# Altium PCB Wedka_PCB.PcbDoc
Units mm, origin at the board's own origin, x right, y up, seen from the top; angles counter-clockwise.
Board outline 60 x 80 mm, 2 copper layers (Top Layer, Bottom Layer), stack 1.58 mm thick; 47 components, 40 nets, 266 pads, 83 vias.
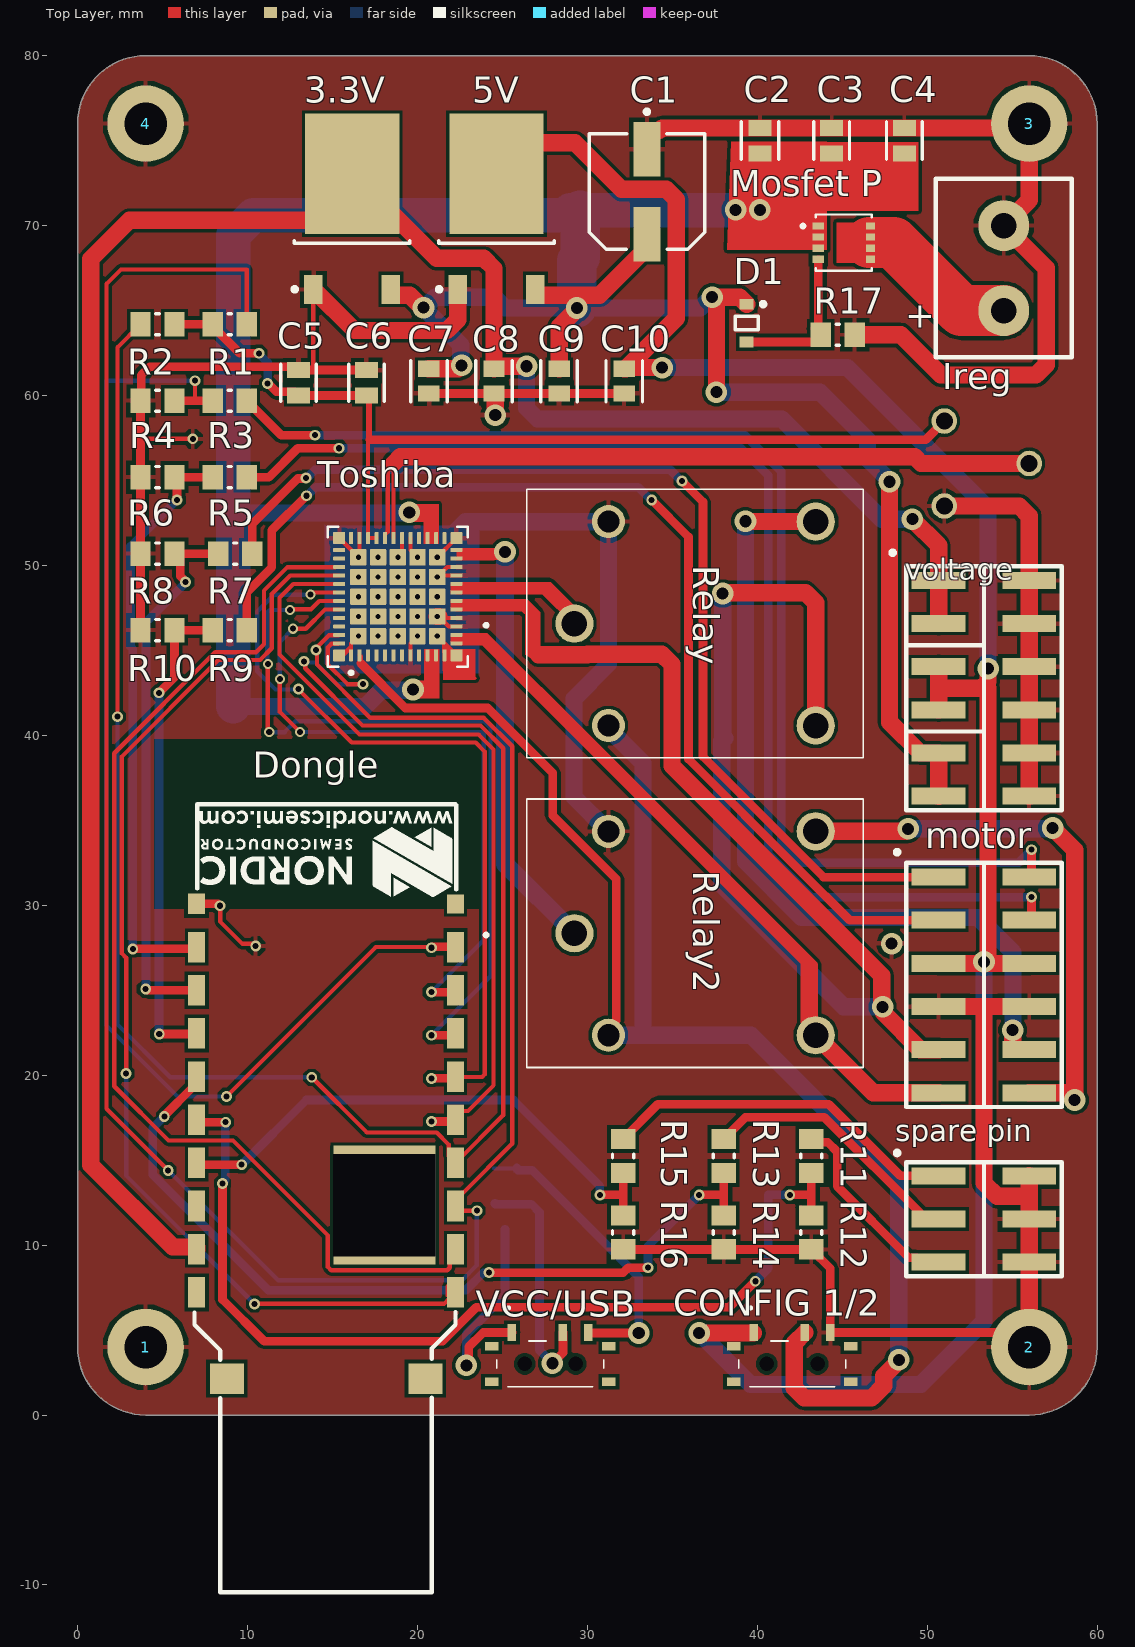
[diagram p0: Top Layer view]
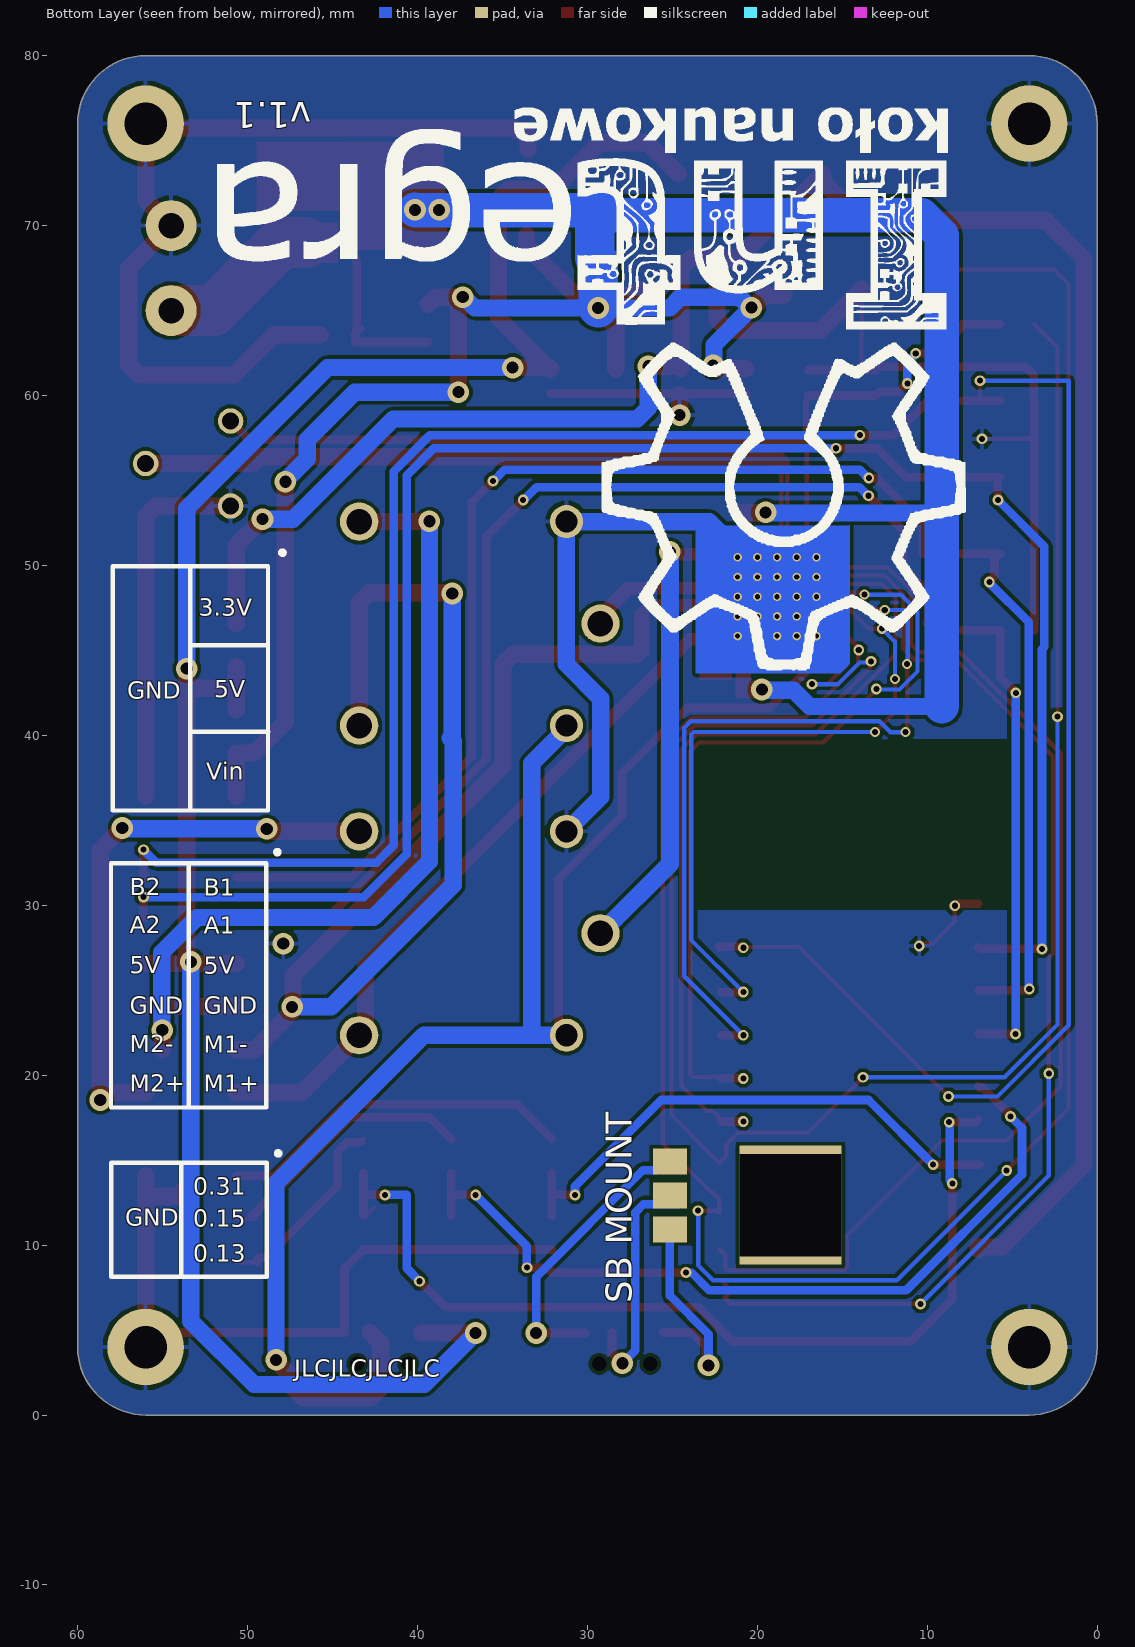
[diagram p1: Bottom Layer view, seen from below]

## Layer stack, top to bottom
Top Solder: solder mask 0.0102, Solder Resist, Dk 3.5
Top Layer: signal copper 0.0356
Dielectric 1: dielectric 1.5086, FR-4, Dk 4.8
Bottom Layer: signal copper 0.0356
Bottom Solder: solder mask 0.0102, Solder Resist, Dk 3.5

## Board outline
4,0 cw(c4,4) 0,4 0,76 cw(c4,76) 4,80 56,80 cw(c56,76) 60,76 60,4 cw(c56,4) 56,0

## Design rules (kind name [scope] priority, off if disabled: settings)
Clearance [All] p1: gap=0.2 ignorepadtopadclearanceinfootprint=FALSE
PolygonConnect [All] p1: connectstyle=Relief reliefconductorwidth=0.254 reliefentries=4 polygonreliefangle="90 Angle" airgapwidth=0.254
RoutingVias [All] p1: holewidth=0.711 width=1.27 viastyle="Through Hole" minholewidth=0.711 minwidth=1.27 maxholewidth=0.711 maxwidth=1.27
SolderMaskExpansion [All] p1: expansion=0.102 istentingtop=FALSE
Width Width_11 [All] p1: maxlimit=1.016 minlimit=0.254 preferedwidth=0.508 minimp=50.000000 maximp=50.000000 favimp=50.000000
Width Width_10 [InNet('+12')] p2: maxlimit=5 minlimit=0.254 preferedwidth=2
Width Width_9 [InNet('VM')] p3: maxlimit=2 minlimit=0.254 preferedwidth=1
Width Width_8 [InNet('NetPinout_6')] p4: maxlimit=3 minlimit=0.254 preferedwidth=1.5
Width Width_7 [InNet('NetPinout_5')] p5: maxlimit=3 minlimit=0.254 preferedwidth=1.5
Width Width_5 [InNet('OUT B-')] p6: maxlimit=3 minlimit=0.254 preferedwidth=2
Width Width_4 [InNet('OUT B+')] p7: maxlimit=3 minlimit=0.254 preferedwidth=2
Width Width_2 [InNet('OUT A-')] p8: maxlimit=3 minlimit=0.254 preferedwidth=2
Width Width_3 [InNet('OUT A+')] p9: maxlimit=3 minlimit=0.254 preferedwidth=2
Width Width_1 [InNet('OUT-')] p10: maxlimit=3 minlimit=0.254 preferedwidth=2
Width [InNet('OUT+')] p11: maxlimit=3 minlimit=0.254 preferedwidth=2
Width Width_6 [InNet('GND')] p12: maxlimit=4 minlimit=0.254 preferedwidth=0.508
30 further rules are at their usual default settings.

## Classes and differential pairs
component class Wedka_schemat: 1 2 3 3.3V 4 5V C1 C2 C3 C4 C5 C6 C7 C8 C9 C10 "CONFIG 1/2" D1 Dongle Ireg "Mosfet P" motor R1 R2 R3 R4 R5 R6 R7 R8 R9 R10 R11 R12 R13 R14 R15 R16 R17 "SB MOUNT" "spare pin" Toshiba VCC/USB

## Components (designator, comment, footprint, x,y, rotation, side; value= is the part's Value field where it differs from the comment)
1 "" PTH#1 3,3.5 r0 top
2 "" PTH#2 61,6.5 r90 top
3 "" PTH#3 40.5,75 r0 top
3.3V "AMS1117 DPAK TO-252" AMS1117CD 16.15,71 r90 top
4 "4" PTH#4 20,57 r0 top
5V "AMS1117 DPAK TO-252" AMS1117CD 24.65,71 r90 top
C1 "47uF" FP-FTD-MFG 33.5,72 r270 top
C2 "4.7uF" FP-C0805C475K3PACTU-MFG 40.15,75 r90 top
C3 "0.1uF" FP-C0805C104M5UACTU-MFG 44.375,75 r90 top
C4 "0.1uF" FP-C0805C104M5UACTU-MFG 48.65,75 r90 top
C5 "0.1uF" FP-C0805C104M5UACTU-MFG 13,60.75 r90 top
C6 "0.1uF" FP-C0805C104M5UACTU-MFG 17,60.75 r90 top
C7 "10uF" FP-GRM21B-0_1-IPC_C 20.667,60.844 r270 top
C8 "10uF" FP-GRM21B-0_1-IPC_C 24.5,60.844 r270 top
C9 "10uF" FP-GRM21B-0_1-IPC_C 28.333,60.844 r270 top
C10 "10uF" FP-GRM21B-0_1-IPC_C 32.167,60.844 r270 top
"CONFIG 1/2" "dongle_mount" dongle_mount 42.241,3 r0 top
D1 "MM3Z16VT1G" ONSC-SOD-323-2-477-02_V 39.37,64.262 r270 top
Dongle "nrf52840-DONGLE" NRF52840 -20.559,58.401 r270 top
Ireg "RM065 potencjometr" Potenciometer 53.035,55.887 r270 top
"Mosfet P" "DMP4013LFGQ-13" DMP4013LFGQ-13 45,69 r0 top
motor "2silniki_pinout" 2_silniki_pinout 48.786,18.144 r0 top
R1 "100k" RESC2013X60X35ML10T20 8.946,64.196 r180 top
R2 "100k" RESC2013X60X35ML10T20 4.7,64.196 r0 top
R3 "10k" RESC2013X60X35ML10T20 8.946,59.696 r0 top
R4 "20k" RESC2013X60X35ML10T20 4.7,59.696 r0 top
R5 "10k" RESC2013X60X35ML10T20 8.946,55.196 r0 top
R6 "20k" RESC2013X60X35ML10T20 4.7,55.196 r0 top
R7 "10k" RESC2013X60X35ML10T20 9.268,50.696 r0 top
R8 "20k" RESC2013X60X35ML10T20 4.7,50.696 r0 top
R9 "10k" RESC2013X60X35ML10T20 8.946,46.196 r0 top
R10 "20k" RESC2013X60X35ML10T20 4.7,46.196 r0 top
R11 "21.5k" RESC2013X60X35ML10T20 43.176,15.246 r90 top
R12 "8.5k" RESC2013X60X35ML10T20 43.176,10.746 r90 top
R13 "21.5k" RESC2013X60X35ML10T20 38.02,15.246 r90 top
R14 "8.5k" RESC2013X60X35ML10T20 38.02,10.746 r90 top
R15 "21.5k" RESC2013X60X35ML10T20 32.102,15.246 r90 top
R16 "8.5k" RESC2013X60X35ML10T20 32.102,10.746 r90 top
R17 "100k" RESC2013X60X35ML10T20 44.725,63.575 r180 top
Relay "G5LA-14-DC24" G5LA14DC24 29.234,46.578 r0 top
Relay2 "G5LA-14-DC24" G5LA14DC24 29.234,28.352 r0 top
"SB MOUNT" "dongle_switch" SWITCH_DONGLE 25.145,14.916 r180 top
"spare pin" "spare_pin_pinout" spare_pinout 53.275,14.876 r0 top
Toshiba "TB67H420FTG(O,EL)" Toshiba 9.21,-12.033 r90 top
VCC/USB "dongle_mount" DONGLE_MOUNT 28,3 r0 top
voltage "Pinout3" pinout3 51.229,36.333 r0 top
? "ARK 500" "AK 500" 54.5,67.5 r0 top

## Footprints (in the part's own frame and the unit in brackets; to place one, negate y for a bottom-side part, rotate by r counter-clockwise, add the part's x,y. Pads: shape width x height; smd on the part's side, far side on the other; paste and mask are expansions set on the pad)
2_silniki_pinout [mm]
  rect 3.17x1 smd: 1(1.884,0.816) 2(1.884,3.356) 3(1.884,5.896) 4(1.884,8.436) 5(1.884,10.976) 6(1.884,13.516) 7(7.214,13.516) 8(7.214,10.976) 9(7.214,8.436) 10(7.214,5.896) 11(7.214,3.356) 12(7.214,0.816)
  silkscreen extent -0.02,-0.02 9.12,14.35, body extent 0.73,-0.51 8.35,14.73, height 10.23
"AK 500" [mm] "2pin raster 5mm"
  round 3 hole 1.5: 1(0,-2.5) 2(0,2.5)
  silkscreen extent -4,-5.25 4,5.25, body extent -3.48,-5.16 3.52,5.24, height 10
AMS1117CD [mm] "D-PAK, 3-Pads, Body 6,21x6,74mm (max), IPC Medium Density"
  rect 1.7x1.1 smd: 1(-4.75,2.28) 3(-4.75,-2.28)
  rect 7.1x5.55 smd: 4(2.05,0)
  silkscreen extent -4.87,-3.4 -1.9,3.5, body extent -4.36,-3.37 5.72,3.37, height 2.85
DMP4013LFGQ-13 [mm] "MOSFET P-Channel"
  rect 0.7x0.42 smd: 1(-1.418,0.97) 2(-1.418,0.32) 3(-1.418,-0.33) 4(-1.418,-0.98)
  rect 0.54x0.42 smd: 5(1.662,-0.98) 6(1.662,-0.33) 7(1.662,0.32) 8(1.662,0.97)
  Top Layer region: 1.932,0.76 1.392,0.76 1.392,0.53 1.932,0.53 1.932,0.11 1.392,0.11 1.392,-0.12 1.932,-0.12 1.932,-0.54 1.392,-0.54 1.392,-0.77 1.932,-0.77 1.932,-1.19 -0.318,-1.19 -0.318,1.18 1.932,1.18
  silkscreen extent -2.42,-1.65 1.73,1.65, body extent -1.57,-1.65 1.73,1.65, height 0.9
dongle_mount [mm]
  rect 0.5x1 smd: A1(-2.441,1.86) B1(0.559,1.86) C1(2.059,1.86)
  round 0.425 hole 0.85 unplated: MH1(-1.691,0.01) MH2(1.309,0.01)
  rect 0.8x0.5 smd: MP1(3.259,1.06) MP2(3.259,-1.04) MP3(-3.641,-1.04) MP4(-3.641,1.06)
  silkscreen extent -3.34,-1.34 2.96,3.36, body extent -10.23,-3.28 9.77,3.47, height 5.8
DONGLE_MOUNT [mm]
  rect 0.5x1 smd: A1(-2.441,1.86) B1(0.559,1.86) C1(2.059,1.86)
  round 0.425 hole 0.85 unplated: MH1(-1.691,0.01) MH2(1.309,0.01)
  rect 0.8x0.5 smd: MP1(3.259,1.06) MP2(3.259,-1.04) MP3(-3.641,-1.04) MP4(-3.641,1.06)
  silkscreen extent -3.34,-1.34 2.96,3.36, body extent -10.23,-3.28 9.77,3.47, height 5.8
FP-C0805C104M5UACTU-MFG [mm]
  rect 0.95x1.35 smd paste+0 mask+0: 1(-0.75,0) 2(0.75,0)
  silkscreen extent -1.1,-1.05 1.1,1.05, body extent -1.4,-0.85 1.4,0.85, height 0.25
FP-C0805C475K3PACTU-MFG [mm]
  rect 0.95x1.35 smd paste+0 mask+0: 1(-0.75,0) 2(0.75,0)
  silkscreen extent -1.1,-1.1 1.1,1.1, body extent -1.4,-0.85 1.4,0.85, height 0.25
FP-FTD-MFG [mm]
  rect 3.2x1.6 smd paste+0 mask+0: 1(-2.5,0) 2(2.5,0)
  silkscreen extent -4.82,-3.4 3.4,3.4, body extent -4.35,-3.65 4.35,3.65, height 0.25
FP-GRM21B-0_1-IPC_C [mm]
  rect 0.958x1.262 smd paste+0 mask+0: 1(-0.727,0) 2(0.727,0)
  silkscreen extent -1.21,-1.07 1.21,1.08, body extent -1.31,-0.77 1.31,0.77, height 0.25
G5LA14DC24 [mm]
  round 2.25 hole 1.5: 1(0,0) 3(14.2,-6) 4(14.2,6)
  round 1.95 hole 1.3: 2(2,-6) 5(2,6)
  silkscreen extent -5.3,-7.9 17,7.9, body extent -2.8,-7.9 17,7.9, height 15.9
NRF52840 [mm]
  rect 1.1x1 smd: 1(28.321,42.799)
  rect 1.8x1 smd: 2(30.861,42.799) 3(33.401,42.799) 4(35.941,42.799) 5(38.481,42.799) 6(41.021,42.799) 7(43.561,42.799) 8(46.101,42.799) 9(48.641,42.799) 10(51.181,42.799) 12(30.861,27.559) 13(33.401,27.559) 14(35.941,27.559) 15(38.481,27.559) 16(41.021,27.559) 17(43.561,27.559) 18(46.101,27.559) 19(48.641,27.559) 20(51.181,27.559)
  rect 1.2x1 smd mask+0.102: 11(28.321,27.559)
  rect 7x6 hole 6 square unplated: 13(46.051,38.61)
  rect 1.8x2 smd: 21(56.261,41.021) 22(56.261,29.337)
  silkscreen extent 22.46,27.43 68.83,42.83, body extent 22.46,27.57 68.5,42.81, height 4.6
ONSC-SOD-323-2-477-02_V [mm] "SOD, 2-Leads, Body 1.7x1.25mm"
  rect 0.63x0.83 smd: 1(-1.115,0) 2(1.115,0)
  silkscreen extent -1.24,-0.68 0.4,1.09, body extent -0.85,-0.63 0.85,0.63, height 1.06
pinout3 [mm]
  rect 3.17x1 smd: 1(-0.559,12.787) 2(-0.559,10.247) 3(-0.559,7.707) 4(-0.559,5.167) 5(-0.559,2.627) 6(-0.559,0.087) 7(4.771,0.087) 8(4.771,2.627) 9(4.771,5.167) 10(4.771,7.707) 11(4.771,10.247) 12(4.771,12.787)
  silkscreen extent -2.47,-0.75 6.68,13.62, body extent -1.65,-1.22 5.97,14.02, height 10.23
Potenciometer [mm] "10k THT"
  round 1.5 hole 1: 1(-2.613,-2.035) 2(-0.113,2.965) 3(2.387,-2.035)
  body extent -3.5,-3.02 3.3,3.87, height 10.44
PTH#1 [mm] "Otwór montażowy"
  round 4.5 hole 2.5: 1(1,0.5)
PTH#2 [mm] "Otwór montażowy"
  round 4.5 hole 2.5: 1(-2.5,5)
PTH#3 [mm] "Otwór montażowy"
  round 4.5 hole 2.5: 1(15.5,1)
PTH#4 [mm] "Otwór montażowy"
  round 4.5 hole 2.5: 1(-16,19)
RESC2013X60X35ML10T20 [mm] "Chip Resistor, 2-Leads, Body 2.1x1.35mm, IPC Low Density"
  rect 1.2x1.45 smd: 1(-1,0) 2(1,0)
  silkscreen extent -0.1,-0.63 0.1,0.63, body extent -1.05,-0.68 1.05,0.67, height 0.6
spare_pinout [mm]
  rect 3.17x1 smd: 1(-2.605,-5.876) 2(-2.605,-3.336) 3(-2.605,-0.796) 4(2.725,-5.876) 5(2.725,-3.336) 6(2.725,-0.796) ""(2.725,-0.796)
  silkscreen extent -4.51,-6.71 4.64,0
SWITCH_DONGLE [mm]
  rect 2x1.524 smd far side: 1(-0.001,3.994) 2(-0.001,1.994) 3(-0.001,-0.006)
Toshiba [mm]
  rrect25% 0.7x0.22 smd: 1(56.743,-6.88) 2(56.743,-7.38) 3(56.743,-7.88) 4(56.743,-8.38) 5(56.743,-8.88) 6(56.743,-9.38) 7(56.743,-9.88) 8(56.743,-10.38) 9(56.743,-10.88) 10(56.743,-11.38) 11(56.743,-11.88) 12(56.743,-12.38) 25(63.643,-12.38) 26(63.643,-11.88) 27(63.643,-11.38) 28(63.643,-10.88) 29(63.643,-10.38) 30(63.643,-9.88) 31(63.643,-9.38) 32(63.643,-8.88) 33(63.643,-8.38) 34(63.643,-7.88) 35(63.643,-7.38) 36(63.643,-6.88)
  rrect25% 0.22x0.7 smd: 13(57.443,-13.08) 14(57.943,-13.08) 15(58.443,-13.08) 16(58.943,-13.08) 17(59.443,-13.08) 18(59.943,-13.08) 19(60.443,-13.08) 20(60.943,-13.08) 21(61.443,-13.08) 22(61.943,-13.08) 23(62.443,-13.08) 24(62.943,-13.08) 37(62.943,-6.18) 38(62.443,-6.18) 39(61.943,-6.18) 40(61.443,-6.18) 41(60.943,-6.18) 42(60.443,-6.18) 43(59.943,-6.18) 44(59.443,-6.18) 45(58.943,-6.18) 46(58.443,-6.18) 47(57.943,-6.18) 48(57.443,-6.18)
  rrect10% 0.96x0.96 smd: 49(57.873,-7.31) 50(57.873,-8.47) 51(57.873,-9.63) 52(57.873,-10.79) 53(57.873,-11.95) 54(59.033,-11.95) 55(59.033,-10.79) 56(59.033,-9.63) 57(59.033,-8.47) 58(59.033,-7.31) 59(60.193,-7.31) 60(60.193,-8.47) 61(60.193,-9.63) 62(60.193,-10.79) 63(60.193,-11.95) 64(61.353,-11.95) 65(61.353,-10.79) 66(61.353,-9.63) 67(61.353,-8.47) 68(61.353,-7.31) 69(62.513,-7.31) 70(62.513,-8.47) 71(62.513,-9.63) 72(62.513,-10.79) 73(62.513,-11.95)
  round 0.5 hole 0.3: 74(57.873,-7.31) 75(57.873,-8.47) 76(57.873,-9.63) 77(57.873,-10.79) 78(57.873,-11.95) 79(59.033,-11.95) 80(59.033,-10.79) 81(59.033,-9.63) 82(59.033,-8.47) 83(59.033,-7.31) 84(60.193,-7.31) 85(60.193,-8.47) 86(60.193,-9.63) 87(60.193,-10.79) 88(60.193,-11.95) 89(61.353,-11.95) 90(61.353,-10.79) 91(61.353,-9.63) 92(61.353,-8.47) 93(61.353,-7.31) 94(62.513,-7.31) 95(62.513,-8.47) 96(62.513,-9.63) 97(62.513,-10.79) 98(62.513,-11.95)
  rrect10% 0.7x0.7 smd: G1(56.743,-6.18) G2(56.743,-13.08) G3(63.643,-13.08) G4(63.643,-6.18)
  silkscreen extent 55.62,-13.75 64.31,-5.51, body extent 56.64,-13.18 63.74,-6.08, height 1.01

## Part data
1 2 3 4: library part PTH
3.3V 5V: library part "AMS1117 DPAK"
C1: library part CMP-05427-000060-1, "CAP ALUM 47UF 20% 50V SMD", Case/Package=Radial, Dielectric Material=Aluminium, ESR (Equivalent Series Resistance)=680mR, Leakage Current=23.5uA, Max Operating Temperature=105°C, Min Operating Temperature=-55°C, Package Quantity=1, Ripple Current=195mA, Tolerance=20%, Voltage=50V, Capacitance=47uF, Construction=Cylindrical, Contact Plating=Tin, Diameter=6.3mm, Height=5.8mm, Height - Seated (Max)=0.24inch, Lead Diameter=0.65mm, Lead Free="Lead Free", Lead Pitch=1.8mm, Length=5.8mm, Life (Hours)=2000Hour, Mount="Surface Mount", Number of Pins=2, Packaging="Tape and Reel", Radiation Hardening=No, REACH SVHC="No SVHC", Ripple Current (AC)=195mA, RoHS Compliant=Yes, Series=FT, Termination=SMD/SMT, Voltage Rating=50V, Voltage Rating (DC)=50V
C2: library part CMP-2007-01010-2, "CAP CER 4.7UF 25V X5R 0805", Case Code (Imperial)=0805, Case Code (Metric)=2012, Dielectric=X5R, Dielectric Material=Ceramic, Max Operating Temperature=85°C, Min Operating Temperature=-55°C, Package Quantity=2500, Tolerance=10%, Voltage=25V, Capacitance=4.7uF, Case/Package=0805, Construction=Flat, Contact Plating=Tin, Depth=1.25mm, Dissipation Factor=5%, Height=1.25mm, Lead Free="Lead Free", Length=2mm, Mount=PCB, Number of Pins=2, Packaging="Tape and Reel", Radiation Hardening=No, REACH SVHC="No SVHC", RoHS Compliant=Yes, Series=C0805C, Termination=SMD/SMT, Voltage Rating (DC)=25V, Width=1.2mm
C3 C4 C5 C6: library part CMP-2007-03742-2, "CAP CER 0.1UF 50V Z5U 0805", Capacitance=100nF, Case Code (Imperial)=0805, Case Code (Metric)=2012, Dielectric=Z5U, Dielectric Material=Ceramic, Max Operating Temperature=85°C, Min Operating Temperature=10°C, Package Quantity=1, Tolerance=20%, Voltage=50V, Case/Package=0805, Construction=Flat, Contact Plating=Tin, Depth=1.25mm, Dissipation Factor=4%, Height=0.78mm, Lead Free="Lead Free", Lead Pitch=0.75mm, Length=2mm, Mount="Surface Mount", Number of Pins=2, Packaging="Tape and Reel", Radiation Hardening=No, REACH SVHC="No SVHC", RoHS Compliant=Yes, Series=C, Termination=SMD/SMT, Thickness=0.035inch, Voltage Rating=50V, Voltage Rating (DC)=50V, Width=1.2mm
C7 C8 C9 C10: library part CMP-2007-03453-2, "Chip Multilayer Ceramic Capacitors for General Purpose, 0805, 10uF, X5R, 15%, 10%, 16V", Case Code (Imperial)=0805, Case Code (Metric)=2012, Dielectric=X5R, Max Operating Temperature=85°C, Min Operating Temperature=-55°C, Package Quantity=1, Tolerance=10%, Voltage=16V, Capacitance=10uF, Case/Package=0805, Depth=1.25mm, Height=1.25mm, Lead Free="Lead Free", Length=2mm, Material=Ceramic, Mount="Surface Mount", Packaging="Tape and Reel", Radiation Hardening=No, REACH SVHC="No SVHC", Termination=SMD/SMT, Thickness=0.053inch, Voltage Rating=16V, Voltage Rating (DC)=16V, Width=1.25mm
D1: library part CMP-1060-00709-1, "Zener Voltage Regulator, 300 mW, 2-Pin SOD-323, Pb-Free, Tape and Reel", Manufacturer="On Semiconductor", ComponentLink1Description="Manufacturer URL", ComponentLink1URL=http://www.onsemi.com/, ComponentLink2Description=Datasheet, ComponentLink2URL=http://www.onsemi.cn/pub_link/Collateral/MM3Z2V4T1-D.PDF, ComponentLink3Description="Package Specification", ComponentLink3URL=http://www.onsemi.com/pub_link/Collateral/477-02.PDF.1, DatasheetVersion="Rev. 9", Mounting Technology="Surface Mount", P Max (W)=0.3, PackageDescription="2-Pin SOD, Body 1.7 x 1.25 mm", PackageReference=SOD-323-2-477-02, PackageVersion="Rev. H, 03/2007", Packing="Tape and Reel", PartNumber=MM3Z16VT1G, RoHS=Pb-Free, VZ Typ (V)=16.2
R1 R2 R3 R4 R5 R6 R7 R8 R9 R10 R11 R12 R13 R14 R15 R16 R17: library part CMP-2100-03673-1, "Chip Resistor, 0 Ohm, Jumper, +/- 5%, 0.125 W, -55 to 155 degC, 0805 (2012 Metric), RoHS, Tape and Reel", Case Code (Imperial)=0805, Case Code (Metric)=2012, Manufacturer=Yageo, Max Operating Temperature=155degC, Min Operating Temperature=-55degC, Package Description="2-Pin Surface Mounted Device, Body 2 x 1.25 mm", Power Rating=125mW, Resistance=0mOhm, Temperature Coefficient=200ppm/degreesC, Tolerance=5%, Voltage Rating=150V, Case/Package=0805, Composition=ThickFilm, Contact Plating=Tin, Datasheet URL=http://www.yageo.com/NewPortal/yageodocoutput?fileName=/pdf/R-Chip/PYu-RC_Group_51_RoHS_L_5.pdf, Datasheet Version="Rev. 5, 10/2016", Depth=1.25mm, Height=0.5mm, Lead Free=LeadFree, Length=2mm, Manufacturer URL=http://www.yageo.com/, Military Standard=Not, Number of Pins=2, Package Reference=0805, Packaging=TapeandReel, Radiation Hardening=No, REACH SVHC=Unknown, RoHSCompliant=true, Termination=SMD/SMT, Voltage Rating (DC)=150V, Width=1.25mm
Relay Relay2: "Relay or Contactor", Manufacturer_Name="Omron Electronics", Mouser Part Number=653-G5LA-14-DC24, Datasheet Link=https://componentsearchengine.com/Datasheets/1/G5LA-14-DC24.pdf, Height=15.8mm, Manufacturer_Part_Number=G5LA-14-DC24, Mouser Price/Stock=https://www.mouser.com/Search/Refine.aspx?Keyword=653-G5LA-14-DC24
Toshiba: "Bipolar Motor Driver CMOS PWM 48-QFN _7x7_", Package=None, Availability=Unavailable, MF=Toshiba, MP=TB67H420FTG_O,EL_, Price=None, SnapEDA_Link=https://www.snapeda.com/parts/TB67H420FTG%28O%2CEL%29/avi/view-part/4448976/?ref=snap

## Via types
v1: diameter 0.635, hole 0.356, Top Layer to Bottom Layer, 46 vias
v2: diameter 1.27, hole 0.711, Top Layer to Bottom Layer, 30 vias
v3: diameter 0.6, hole 0.356, Top Layer to Bottom Layer, 7 vias

## Nets (pads, with @x,y where several pads share a name; then routed paths per layer and width w, separated by ;. In a path a pad name is that pad's centre, name@x,y a point inside that pad or via, vN(x,y) a via of type N, cw(c..) or ccw(c..) an arc to the next point about the centre after c; other vN are vias at no path point)
+3.3: 3.3V.4 C8.1 Dongle.19 voltage.1 voltage.2 | length 132.6
  Top Layer w0.508: C8.1 C8.1@24.651,61.722
  Top Layer w1.016: Dongle.19 7,9.886 6.992,9.894 5.6,9.894 0.775,14.719 0.775,68.035 3.048,70.308 13.883,70.308 16.15,72.575 3.3V.4 21.128,68.072 23.905,68.072 24.5,67.477 C8.1 ; C8.1@24.651,61.722 v2(26.416,61.722) ; v2(49.125,52.725) 50.67,51.18 voltage.2
  Bottom Layer w1.016: v2(26.416,61.722) 26.416,59.269 27.065,58.62 41.43,58.62 47.325,52.725 v2(49.125,52.725)
+5: 5V.4 "CONFIG 1/2.A1" C10.1 motor.4 motor.9 voltage.3 voltage.4 | length 130.1
  Top Layer w0.254: 39.766,4.826 39.8,4.86
  Top Layer w1.016: 5V.4 26.469,74.869 29.271,74.869 32.004,72.136 34.638,72.136 35.233,71.541 35.233,64.543 32.261,61.571 C10.1 ; C10.1@32.336,61.647 v2(34.4,61.647) ; v2(36.576,4.826) 39.766,4.826 ; motor.4 v2@53.335,26.58 ; voltage.4 50.67,42.77 ; voltage.3 50.67,42.77 ; 53.58,42.77 53.58,26.979 53.34,26.739 v2(53.34,26.67) 53.34,26.585 v2@53.335,26.58 ; v2(53.58,43.928) 53.58,43.166 53.184,42.77 50.67,42.77 ; motor.9 v2@53.335,26.58
  Bottom Layer w1.016: v2(34.4,61.647) 45.287,61.647 53.58,53.354 v2(53.58,43.928) ; v2(36.576,4.826) 39.602,1.8 49.617,1.8 53.34,5.523 v2(53.34,26.67)
+12: "Mosfet P.5" "Mosfet P.6" "Mosfet P.7" "Mosfet P.8" ?.1 | length 9.9
  Top Layer w0.254: 46.605,69 46.605,68.727 46.662,68.67
  Top Layer w3: 46.605,69 48,69 52,65 ?.1
"A2 OUT": motor.8 R5.2 | length 72.3
  Top Layer w0.254: motor.8 motor.8@56.134,29.254
  Top Layer w0.508: R5.2 11.254,55.196 12.954,56.896 v1(15.376,56.896) ; motor.8@56.134,29.254 v1(56.134,30.48)
  Bottom Layer w0.508: v1(15.376,56.896) 39.04,56.896 40.64,55.296 40.64,33.02 43.18,30.48 v1(56.134,30.48)
"A OUT": motor.5 R9.2 | length 64.6
  Top Layer w0.254: motor.5@50.663,29.12 motor.5
  Top Layer w0.508: R9.2@10.031,46.611 9.975,46.667 9.946,46.667 9.946,48.407 11.425,49.886 11.425,52.065 v1(13.462,54.102) ; v1(33.782,53.848) 35.95,51.68 35.95,38.602 42.487,32.065 45.432,29.12 motor.5@50.663,29.12
  Bottom Layer w0.508: v1(13.462,54.102) 13.496,54.102 14.004,54.61 32.986,54.61 33.748,53.848 v1(33.782,53.848)
"B2 OUT": motor.7 R3.2 | length 72.3
  Top Layer w0.508: R3.2 11.984,57.658 13.961,57.658 v1(13.97,57.667) ; motor.7 56.134,31.794 v1(56.134,33.274)
  Bottom Layer w0.508: v1(13.97,57.667) 13.979,57.658 39.28,57.658 41.402,55.536 41.402,33.528 42.418,32.512 55.372,32.512 v1(56.134,33.274)
"B OUT": motor.6 R7.2 | length 62.2
  Top Layer w0.508: R7.2 10.268,52.432 12.95,55.114 13.417,55.114 v1(13.442,55.138) ; v1(35.56,54.975) 36.8,53.735 36.8,38.753 43.893,31.66 motor.6
  Bottom Layer w0.508: v1(13.442,55.138) 13.476,55.138 13.964,55.626 34.874,55.626 35.526,54.975 v1(35.56,54.975)
"COIL IN": "CONFIG 1/2.B1" Relay2.2 Relay.2 Toshiba.2 | length 93.4
  Top Layer w0.254: Toshiba.2@16.591,44.71 16.653,44.648 16.653,44.241
  Top Layer w0.508: 16.653,44.241 19.284,41.61 24.14,41.61 27.964,37.786 27.964,35.286 31.7,31.55 31.7,23.208 31.234,22.742 Relay2.2
  Top Layer w1.016: 42.8,4.86 42.164,4.224 42.164,1.597 42.759,1.002 46.722,1.002 47.441,1.721 47.441,2.297 48.325,3.181 v2(48.325,3.25)
  Bottom Layer w1.016: Relay.2@30.837,40.791 33.274,38.354 33.274,22.352 ; Relay2.2 33.274,22.352 ; v2(48.325,3.25) 48.325,13.651 39.624,22.352 33.274,22.352
GND: 1.1 2.1 3.1 3.3V.1 4.1 5V.1 "CONFIG 1/2.C1" "spare pin.4" "spare pin.5" "spare pin.6" ?.2 C1.1 C2.2 C3.2 C4.2 C5.2 C6.2 C7.2 C8.2 C9.2 C10.2 Dongle.11 Ireg.3 motor.3 motor.10 R4.1 R6.1 R8.1 R10.1 R12.1 R14.1 R16.1 R17.1 Relay2.5 Relay.5 Toshiba.1 Toshiba.8 Toshiba.15 Toshiba.16 Toshiba.21 Toshiba.22 Toshiba.29 Toshiba.30 Toshiba.35 Toshiba.49 Toshiba.50 Toshiba.51 Toshiba.52 Toshiba.53 Toshiba.54 Toshiba.55 Toshiba.56 Toshiba.57 Toshiba.58 Toshiba.59 Toshiba.60 Toshiba.61 Toshiba.62 Toshiba.63 Toshiba.64 Toshiba.65 Toshiba.66 Toshiba.67 Toshiba.68 Toshiba.69 Toshiba.70 Toshiba.71 Toshiba.72 Toshiba.73 Toshiba.74 Toshiba.75 Toshiba.76 Toshiba.77 Toshiba.78 Toshiba.79 Toshiba.80 Toshiba.81 Toshiba.82 Toshiba.83 Toshiba.84 Toshiba.85 Toshiba.86 Toshiba.87 Toshiba.88 Toshiba.89 Toshiba.90 Toshiba.91 Toshiba.92 Toshiba.93 Toshiba.94 Toshiba.95 Toshiba.96 Toshiba.97 Toshiba.98 Toshiba.G1 Toshiba.G2 Toshiba.G3 Toshiba.G4 voltage.7 voltage.8 voltage.9 voltage.10 voltage.11 voltage.12 | length 245.4
  Top Layer w0.254: 3.7,57.446 3.704,57.45 v1(6.775,57.45) ; v1@8.274,30.08 v1(8.382,29.972) 8.382,29.043 9.698,27.727 v1@10.348,27.727 ; 3.3V.1 13.87,61.6 13.97,61.5 ; Toshiba.G1 15.596,44.71 16.067,45.181 ; Toshiba.G4 Toshiba.69 ; Toshiba.1 16.09,45.41 Toshiba.49 ; Toshiba.69@16.59,50.48 Toshiba.35 ; Toshiba.71 19.09,50.73 Toshiba.30 ; Toshiba.8 19.59,45.43 Toshiba.52 ; Toshiba.29 19.59,50.89 Toshiba.72 ; Toshiba.53 Toshiba.G2 ; Toshiba.64 Toshiba.64@21.25,49.41 ; Toshiba.73 Toshiba.G3 ; Toshiba.54@21.25,46.91 Toshiba.54@21.34,46.91 ; Toshiba.54@21.25,47 Toshiba.54@21.34,46.91 ; Toshiba.15 21.84,46.41 Toshiba.54@21.34,46.91 ; Toshiba.16 Toshiba.54@21.34,46.91 ; Toshiba.21 Toshiba.64@21.25,49.41 ; Toshiba.22 21.75,49.91 Toshiba.64@21.25,49.41 ; C8.2 C8.2@24.575,60.042 ; 2.1@55.14,4.86 2.1 ; 3.1@55.75,75.75 3.1
  Top Layer w0.508: R10.1 R8.1 R6.1 3.7,57.446 R4.1 3.735,59.731 3.735,61.202 4.233,61.7 12.8,61.7 C5.2 13.97,61.5 C6.2 ; Dongle.11 v1@8.274,30.08 ; C7.2 C8.2 C10.2 ; R16.1 R12.1 44.3,8.622 44.3,4.86 2.1@55.14,4.86
  Top Layer w1.016: 3.3V.1 16.288,63.832 21.739,63.832 22.37,64.463 5V.1 ; Toshiba.54 Toshiba.54@21.25,47 ; v2(24.575,58.85) C8.2@24.575,60.042 ; C1.1 33.5,75.3 33.792,75.592 34.229,75.592 34.387,75.75 C2.2 C3.2 C4.2 3.1@55.75,75.75 ; R17.1 48.439,63.575 50.8,61.214 56.405,61.214 57,61.809 57,67.5 ?.2 56,71.5 3.1 ; motor.3 53.335,24.04 ; Ireg.3 55.405,53.5 56,52.905 voltage.12 voltage.11 voltage.10 voltage.9 voltage.8 voltage.7 ; 2.1 56,9 56,11.54 56,12.81 ; 56,14.08 56,12.81 ; motor.10 53.335,24.04 ; 53.335,24.04 53.335,13.659 54.122,12.872 55.938,12.872 56,12.81
  Bottom Layer w0.254: v1(8.382,29.972) v1@8.453,29.972
  Bottom Layer w1.016: 22.1,49.6 22.1,51.85 22.828,52.578 Relay.5 ; Relay.5@31.242,52.578 31.242,44.196 29.21,42.164 29.21,36.376 Relay2.5 Relay2.5@31.455,34.131
  other v1: 10.475,27.6
  other v2: 47.901,27.748
INA1: Dongle.6 Toshiba.41 | length 46.5
  Top Layer w0.254: Toshiba.41 12.685,48.91 11.875,48.1 11.875,44.763 16.588,40.05 23.594,40.05 24.475,39.169 24.475,19.401 22.972,17.898 22.613,17.898 22.24,17.525 Dongle.6 Dongle.6@22.132,17.272
  Top Layer w0.508: v1(20.826,17.276) 22.128,17.276 Dongle.6@22.132,17.272
INA2: Dongle.5 Toshiba.42 | length 46
  Top Layer w0.254: v1(13.001,42.726) 13.001,42.702 16.128,39.575 23.427,39.575 23.95,39.052 23.95,20.042 23.801,19.894 22.758,19.894 ; v3(13.7,48.283) 13.827,48.41 Toshiba.42@15.167,48.41 ; Dongle.5@22.132,19.812 Dongle.5 Dongle.5@22.599,19.92
  Top Layer w0.508: v1(20.828,19.812) Dongle.5@22.132,19.812
  Bottom Layer w0.254: v1(13.001,42.726) 12.973,42.698 11.64,42.698 10.573,43.765 10.573,47.291 11.565,48.283 v3(13.7,48.283)
INB1/INA12: Dongle.4 Toshiba.43 | length 46
  Top Layer w0.254: v3@11.188,44.162 11.188,40.412 11.209,40.391 11.209,40.258 v3(11.275,40.192) ; v3(12.502,47.375) 12.552,47.425 13.729,47.425 14.214,47.91 Toshiba.43 ; Dongle.4@22.132,22.352 Dongle.4
  Top Layer w0.508: v1(20.828,22.352) Dongle.4@22.132,22.352
  Bottom Layer w0.254: v3@11.188,44.162 11.15,44.2 11.15,47.226 11.299,47.375 v3(12.502,47.375) ; v3(11.275,40.192) 12.18,40.192 12.815,40.827 23.915,40.827 24.3,40.442 24.3,25.824 v1(20.828,22.352)
  other v3: 11.2,44.2
INB2/INA22: Dongle.3 Toshiba.44 | length 38.8
  Top Layer w0.254: v3(11.9,43.325) 11.9,41.375 v3(13.075,40.2) ; v3(12.674,46.276) 13.426,46.276 14.56,47.41 Toshiba.44 ; Dongle.3@22.132,24.892 Dongle.3
  Top Layer w0.508: v1(20.828,24.892) Dongle.3@22.132,24.892
  Bottom Layer w0.254: v3(11.9,43.325) 11.9,45.503 v3(12.674,46.276) ; v3(13.075,40.2) 23.751,40.2 23.9,40.051 23.9,27.964 v1(20.828,24.892)
LO1: Dongle.8 R1.1 Toshiba.47 | length 136.2
  Top Layer w0.254: v1(5.325,14.4) 1.694,18.031 1.694,66.569 2.546,67.421 9.946,67.421 R1.1 ; v1(14.032,45.025) 14.079,44.978 14.079,44.169 17.219,41.029 23.899,41.029 25.574,39.354 25.574,15.973 22.674,13.073 22.613,13.073 22.24,12.7 22.24,12.025 22.24,11.923 22.342,12.025 v1(23.5,12.025) ; v1@14.105,44.985 14.105,45.209 14.789,45.893 15.373,45.893 Toshiba.47
  Bottom Layer w0.254: v1(5.325,14.4) 11.8,7.925 22.6,7.925 23.477,8.802 23.477,12.002 v1(23.5,12.025)
LO2: Dongle.7 R2.1 Toshiba.48 | length 113.4
  Top Layer w0.254: v1(2.338,41.1) 2.338,62.834 R2.1 ; v1(13.319,44.36) 13.388,44.291 13.388,43.949 16.761,40.575 23.711,40.575 25.05,39.236 25.05,17.65 Dongle.7 21.832,15.248 21.832,15.926 21.126,16.631 17.019,16.631 v1(13.775,19.875) ; Toshiba.48 15.373,45.393 14.931,45.393 14.713,45.175 14.713,44.177 15.876,43.014 v1(16.789,43.014)
  Bottom Layer w0.254: v1(2.338,41.1) 2.338,22.987 5.45,19.875 v1(13.775,19.875) ; v1(13.319,44.36) 13.391,44.287 13.988,44.287 15.261,43.014 v1(16.789,43.014)
NetD1_2: "Mosfet P.4" D1.2 R17.2 | length 9.5
  Top Layer w0.508: D1.2 R17.2@43.654,63.147 ; R17.2@43.379,63.921 R17.2 ; 43.582,68 43.582,63.769 43.654,63.696 R17.2@43.654,63.346
"NetSB MOUNT_1": "SB MOUNT.1" VCC/USB.A1 | length 13
  Top Layer w0.508: v2(22.875,2.925) 23.021,3.071 23.021,4.015 23.866,4.86 VCC/USB.A1
  Bottom Layer w0.508: v2(22.875,2.925) 22.875,4.758 25.146,7.029 25.146,10.922
"NetSB MOUNT_2": "SB MOUNT.2" VCC/USB.B1 | length 14.1
  Top Layer w0.508: v2(27.94,3.048) 28.559,3.667 VCC/USB.B1
  Bottom Layer w0.508: 24.561,12.446 24.593,12.414 26.702,12.414 27.178,11.938 27.178,3.81 v2(27.94,3.048)
"NetSB MOUNT_3": "SB MOUNT.3" VCC/USB.C1 | length 17.5
  Top Layer w0.254: VCC/USB.C1 VCC/USB.C1@30.093,4.826
  Top Layer w0.508: VCC/USB.C1@30.093,4.826 v2(33.02,4.826)
  Bottom Layer w0.254: 24.501,14.506 25.8,14.506
  Bottom Layer w0.508: 25.84,14.546 25.84,14.466 25.892,14.414 26.734,14.414 33.02,8.128 v2(33.02,4.826)
"OUT A+": motor.1 Relay2.3 Toshiba.13 Toshiba.14 | length 74.6
  Top Layer w0.254: Toshiba.13 23.865,45.41 42.675,26.6 42.675,23.111 Relay2.3 43.434,26.537 30.313,39.657 24.061,45.91 Toshiba.14
  Top Layer w1.016: Relay2.3@43.504,22.282 46.826,18.96 motor.1
"OUT A-": motor.2 Relay.3 Toshiba.17 Toshiba.18 | length 91.9
  Top Layer w0.254: Toshiba.17 26.176,47.41 26.325,47.261 ; Toshiba.18 26.415,47.91 27.125,47.2 27.125,44.925
  Top Layer w1.016: 27.125,44.745 29.993,44.745 30.023,44.775 34.38,44.775 34.975,44.18 34.975,38.216 42.088,31.103 47.326,25.865 47.326,24.005 v2@47.424,23.908 ; v2(37.957,48.35) 38,48.393 42.839,48.393 43.434,47.798 Relay.3 ; v2@47.424,23.677 motor.2@49.593,21.508 ; motor.2@49.593,21.5 motor.2
  Bottom Layer w1.016: v2(37.957,48.35) 37.957,39.946 38.075,39.828 37.9,39.653 37.9,31.2 45.075,24.025 v2(47.375,24.025)
"OUT B+": Relay2.1 Toshiba.23 Toshiba.24 | length 29.6
  Top Layer w0.254: Toshiba.23 24.489,50.41 v2@24.879,50.8 ; Toshiba.24@22.513,50.893 25.053,50.893 v2(25.146,50.8)
  Bottom Layer w1.06: v2(25.146,50.8) 25.146,32.44 Relay2.1
"OUT B+ NC": motor.12 Relay2.4 | length 32.8
  Top Layer w1.016: Relay2.4 48.727,34.352 v2(48.875,34.5) ; motor.12 v2@58.256,18.96 ; v2(57.375,34.55) 58.674,33.251 58.674,18.96 v2(58.674,18.542)
  Bottom Layer w1.016: v2(48.875,34.5) 57.325,34.5 v2(57.375,34.55)
"OUT B-": Relay.1 Toshiba.19 Toshiba.20 | length 16.1
  Top Layer w0.254: Toshiba.19 27.402,48.41 Relay.1 29.234,47.474 27.798,48.91 Toshiba.20
"OUT B- NC": motor.11 Relay.4 | length 47.8
  Top Layer w1.016: v2(39.3,52.6) 39.311,52.589 43.423,52.589 Relay.4 ; motor.11@55.025,21.508 v2(55.025,22.65)
  Bottom Layer w1.016: v2@39.3,52.531 39.3,32.575 42.6,29.275 53,29.275 55.05,27.225 55.05,22.675 v2(55.025,22.65)
"P1 DONGLE": Dongle.16 R11.1 R12.2 | length 57.3
  Top Layer w0.254: R12.2@42.578,12.219 43.051,11.746 R12.2 ; 43.134,12.954 43.176,12.996
  Top Layer w0.508: Dongle.16 7.144,17.236 v1(8.71,17.236) ; v1@8.525,13.591 8.525,6.8 10.975,4.35 21.477,4.35 23.464,6.336 38.34,6.336 v1(39.878,7.874) ; v1(41.91,12.954) 43.134,12.954 ; R12.2 43.176,12.996 R11.1
  Bottom Layer w0.508: v1(8.525,13.625) 8.525,13.659 8.685,13.82 v1@8.685,17.24 ; v1(39.878,7.874) 40.64,8.636 40.64,12.954 v1(41.91,12.954)
"P2 DONGLE": Dongle.15 R13.1 R14.2 | length 48.4
  Top Layer w0.254: 37.978,12.954 38.02,12.996
  Top Layer w0.508: v1(5.1,17.575) 5.124,17.599 5.124,17.644 6.754,19.274 6.935,19.274 Dongle.15@7,19.339 ; v1(24.2,8.382) 32.105,8.382 32.397,8.674 v1(33.566,8.674) ; v1(36.576,12.954) 37.978,12.954 ; R14.2 38.02,12.996 R13.1
  Bottom Layer w0.508: v1(5.1,17.575) 4.425,16.9 4.425,14.15 11.231,7.344 22.841,7.344 23.879,8.382 v1(24.2,8.382) ; v1(33.566,8.674) 33.566,9.944 v1(36.576,12.954)
"P3 DONGLE": Dongle.17 R15.1 R16.2 | length 32.1
  Top Layer w0.254: Dongle.17@6.892,14.732 Dongle.17 ; 32.06,12.954 32.102,12.996
  Top Layer w0.508: Dongle.17@6.892,14.732 v1(9.652,14.732) ; v1(30.734,12.954) 32.06,12.954 ; R16.2 32.102,12.996 R15.1
  Bottom Layer w0.508: v1(9.652,14.732) 13.462,18.542 25.654,18.542 30.733,13.463 30.733,12.955 v1(30.734,12.954)
PIN1: "spare pin.1" R11.2 | length 11.8
  Top Layer w0.254: R11.2 R11.2@43.357,16.065 ; 49.42,9 50.67,9
  Top Layer w0.508: R11.2@43.357,16.065 44.133,16.065 44.704,15.494 44.704,13.462 48.92,9.246 49.339,9.246 49.42,9.165 49.42,9
PIN2: "spare pin.2" R13.2 | length 16.6
  Top Layer w0.254: 49.241,12.227 49.241,11.913 49.614,11.54 50.67,11.54
  Top Layer w0.508: R13.2 39.3,17.526 43.942,17.526 49.771,11.697
PIN3: "spare pin.3" R15.2 | length 21.2
  Top Layer w0.508: R15.2 34.144,18.288 44.196,18.288 48.404,14.08 50.67,14.08
PWMA: Dongle.9 Toshiba.39 | length 65.6
  Top Layer w0.254: Toshiba.39@15.167,49.9 12.35,49.9 10.967,48.517 10.967,45.367 10.49,44.89 8.089,44.89 2.148,38.949 2.148,19.352 5.347,16.153 9.142,16.153 14.724,10.571 14.724,8.715 14.916,8.523 21.748,8.523 21.897,8.672 21.897,9.417 Dongle.9
PWMB/PWMA2: Dongle.10 Toshiba.40 | length 67.7
  Top Layer w0.254: v1(2.85,20.1) 2.85,26.917 2.602,27.165 2.602,38.761 8.277,44.436 10.736,44.436 11.421,45.121 11.421,48.321 12.51,49.41 Toshiba.40 ; v1(10.4,6.541) 21.561,6.541 21.919,6.899 21.786,7.032 21.786,7.588 22.145,7.947 Dongle.10@22.386,7.947
  Bottom Layer w0.254: v1(2.85,20.1) 2.85,14.091 10.416,6.525 v1@10.45,6.525
"uC A": Dongle.14 R9.1 R10.2 | length 28.6
  Top Layer w0.508: v1(4.789,42.502) 5.7,43.412 R10.2 R9.1 ; v1(4.8,22.425) 6.965,22.425 Dongle.14
  Bottom Layer w0.508: v1(4.789,42.502) 4.789,22.436 v1(4.8,22.425)
"uC A2": Dongle.12 R5.1 R6.2 | length 35.3
  Top Layer w0.254: R6.2 R6.2@5.842,55.054
  Top Layer w0.508: v1(3.246,27.432) 6.892,27.432 Dongle.12 ; R6.2 R5.1 R5.1@8.2,55.196 ; v1(5.842,53.848) R6.2@5.842,55.054
  Bottom Layer w0.508: v1(3.246,27.432) 3.246,45.07 3.11,45.207 3.11,51.116 v1(5.842,53.848)
"uC B": Dongle.13@7,25 R7.1 R8.2 | length 32.7
  Top Layer w0.508: v1(4,25.075) 4.034,25.075 4.109,25 Dongle.13@7,25 ; v1(6.35,49.022) 6.35,49.056 6.046,49.36 6.046,50.35 R8.2 R7.1 R7.1@8.522,50.696
  Bottom Layer w0.508: v1(4,25.075) 4.018,25.093 4.018,46.656 6.35,48.988 v1(6.35,49.022)
"uC B2": Dongle.2 R3.1 R4.2 | length 73.7
  Top Layer w0.254: R4.2 6.857,59.696 6.9,59.739 v1(6.9,60.875) ; v1(8.75,18.75) 17.55,27.55 20.775,27.55 v1(20.825,27.5)
  Top Layer w0.508: R4.2@5.702,59.694 R3.1 ; v1(20.825,27.5) 20.859,27.5 20.909,27.55 22.23,27.55 Dongle.2
  Bottom Layer w0.254: v1(6.9,60.875) 1.675,60.875 1.675,22.95 5.875,18.75 v1(8.75,18.75)
VCC: C5.1 C6.1 Ireg.1 R1.2 R2.2 Toshiba.33 Toshiba.34 | length 59.4
  Top Layer w0.254: C6.1 17.09,59.91 Toshiba.34 ; C6.1@17.09,59.8 17.2,59.69 17.2,57.404 ; Toshiba.34@17.2,51.61 Toshiba.33
  Top Layer w0.508: R2.2 R1.2 7.946,64.071 9.534,62.483 v1(10.677,62.483) ; v1(11.176,60.706) 11.21,60.706 11.695,60.221 12.779,60.221 C5.1 C6.1 ; 17.2,57.404 49.904,57.404 Ireg.1
  Bottom Layer w0.508: v1(10.677,62.483) 10.677,62.448 11.176,61.95 v1(11.176,60.706)
VM: 3.3V.3 5V.3 "Mosfet P.1" "Mosfet P.2" "Mosfet P.3" C1.2 C2.1 C3.1 C4.1 C7.1 C9.1 D1.1 Toshiba.10 Toshiba.11 Toshiba.26 Toshiba.27 voltage.5 voltage.6 | length 180.5
  Top Layer w0.508: v2(19.514,53.122) v2@19.578,53.122
  Top Layer w1.016: 3.3V.3 18.43,65.95 18.472,65.908 19.548,65.908 20.281,65.175 v2(20.35,65.175) ; C7.1 22.396,61.571 v2(22.6,61.775) ; 5V.3 26.93,65.95 26.972,65.908 5V.3@27.389,65.908 ; 27.49,65.908 30.708,65.908 33.59,68.79 C1.2@33.59,69.41 ; C9.1 28.333,64.04 29.375,65.081 29.375,65.806 ; v2(37.592,60.198) 37.592,65.463 37.338,65.717 v2(37.338,65.786) 38.961,65.786 D1.1 ; v2@38.725,70.9 38.737,70.912 40.138,70.912 v2(40.15,70.925) 40.199,70.876 42.224,70.876 42.275,70.825 ; C2.1 C3.1 C4.1 ; v2(47.775,54.925) 47.782,54.918 47.782,40.779 49.601,38.96 voltage.5 voltage.6
  Bottom Layer w1.016: 8.636,53.086 9.144,53.086 v2@19.514,53.086 ; 9.144,41.7 16.925,41.7 17.876,42.65 19.686,42.65 v2(19.735,42.699) ; v2(22.6,61.775) 22.551,61.824 22.551,62.974 v2(20.35,65.175) 20.419,65.175 21.03,65.786 24.53,65.786 25.166,65.15 v2(29.375,65.15) 36.633,65.15 37.269,65.786 v2(37.338,65.786) ; v2(37.592,60.198) 43.688,60.198 46.482,57.404 46.482,56.287 47.775,54.994 v2(47.775,54.925)
  Bottom Layer w2.032: 9.144,41.7 9.144,53.086 9.144,69.422 10.334,70.612 28.702,70.612 28.99,70.9 38.725,70.9 40.125,70.9 v2(40.15,70.925)
  Bottom Layer w2.32: v2(29.375,65.15) 29.375,67.925 29.575,68.125 29.575,70.9
  other v2: 38.725,70.925
VREF: Ireg.2 Toshiba.31 Toshiba.32 | length 46.6
  Top Layer w0.254: Toshiba.32 18.09,51.816 18.239,51.965 18.239,56 ; Toshiba.31 18.59,56
  Top Layer w1.016: 18.59,56 18.983,56.393 49.256,56.393 49.649,56 Ireg.2
pads on no net: "CONFIG 1/2.MH1" "CONFIG 1/2.MH2" "CONFIG 1/2.MP1" "CONFIG 1/2.MP2" "CONFIG 1/2.MP3" "CONFIG 1/2.MP4" "spare pin." Dongle.1 Dongle.13@18.051,12.35 Dongle.18 Dongle.20 Dongle.21 Dongle.22 Toshiba.3 Toshiba.4 Toshiba.5 Toshiba.6 Toshiba.7 Toshiba.9 Toshiba.12 Toshiba.25 Toshiba.28 Toshiba.36 Toshiba.37 Toshiba.38 Toshiba.45 Toshiba.46 VCC/USB.MH1 VCC/USB.MH2 VCC/USB.MP1 VCC/USB.MP2 VCC/USB.MP3 VCC/USB.MP4
copper on no net: | length 0

## Polygon pours and split planes (outlines as drawn)
GND on Bottom Layer "GND_L02_P016" (solid, pour order 16): 4,0 cw(c4,4) 0,4 0,76 cw(c4,76) 4,80 56,80 cw(c56,76) 60,76 60,4 cw(c56,4) 56,0
GND on Top Layer "GND_L01_P015" (solid, pour order 15): 4,0 cw(c4,4) 0,4 0,76 cw(c4,76) 4,80 56,80 cw(c56,76) 60,76 60,4 cw(c56,4) 56,0

## Other copper
Top Layer:
  region net GND: 21.521,45.492 21.959,45.054 23.384,45.054 23.384,43.454 23.484,43.354 23.409,43.279 21.5,43.279 21.45,45.35
  region net GND: 21.925,45.05 21.931,45.056 22.939,45.056 22.939,44.286 22.735,44.082 21.975,44.082
  pour cut-out: 23.977,39.806 23.977,29.781 4.477,29.781 4.477,39.806
  region net VM: 49.469,70.875 49.469,74.905 43.797,74.905 43.797,70.875
  region net VM: 44.069,68.58 44.069,74.93 38.471,74.93 38.227,68.58
  region net "OUT A+": 43.434,22.352 43.434,26.537 24.061,45.91 24.026,45.875 21.95,45.875 21.95,45.525 21.925,45.5 22.015,45.41 23.865,45.41 42.675,26.6 42.625,26.55 42.625,22.8 42.975,22.8 43.65,22.125
  region net "OUT A-": 21.95,47.91 21.95,47.41 26.176,47.41 26.35,47.236 26.35,44.75 27.125,44.275 27.125,47.2 26.415,47.91
  region net "OUT B-": 21.95,48.925 21.95,48.35 22.01,48.41 27.415,48.41 28.85,46.975 29.234,47.359 29.234,47.474 27.783,48.925
  region net "OUT B+": 22.3,51.025 25.3,51.025 25.3,50.275 25.25,50.225 25.15,50.325 22.3,50.325
  region net VM: 21.275,45.075 21.275,42.188 20.022,42.188 20.022,43.212 20.4,43.212 20.4,45.075
  region net VM: 21.25,51.275 21.25,53.6 19.514,53.6 19.514,52.575 20.375,52.575 20.375,51.275
Bottom Layer:
  region: 23.4,52.275 23.625,52.05 23.625,43.65 15.193,43.65 15.159,43.616 14.576,44.2 22.875,44.2 22.6,44.475 22.6,52.75 22.975,52.75 23.425,52.3
  pour cut-out: 24,39.775 24,29.75 4.5,29.75 4.5,39.775
  region net GND: 14.65,52.35 22.975,52.35 22.975,43.95 14.8,43.95 14.55,44.2 14.55,52.4

## Silkscreen, mask and mechanical layers (free items; w line width, h text height)
Top Overlay:
  circle w0.254: c47.959,50.749 r0.127
  circle w0.254: c48.225,15.425 r0.127
  circle w0.254: c48.225,33.125 r0.127
Bottom Overlay:
  drawing of 39 lines, arcs and shapes, not listed
  text "v1.1" at 46.254,77.246 h1.52 r180
  text "3.3V" at 52.871,47.029 h1
  text "5V" at 51.971,42.254 h1
  text "GND" at 57.071,42.154 h1
  text "Vin" at 52.421,37.379 h1
  text "B2" at 56.946,30.579 h1
  text "B1" at 52.571,30.554 h1
  text "A2" at 56.946,28.354 h1
  text "A1" at 52.571,28.329 h1
  text "5V" at 56.946,26.004 h1
  text "5V" at 52.571,25.979 h1
  text "GND" at 56.946,23.629 h1
  text "GND" at 52.571,23.604 h1
  text "M2-" at 56.946,21.354 h1
  text "M1-" at 52.571,21.329 h1
  text "M1+" at 52.571,19.029 h1
  text "M2+" at 56.946,19.029 h1
  text "0.31" at 53.196,12.979 h1
  text "GND" at 57.196,11.154 h1
  text "0.15" at 53.196,11.09 h1
  text "0.13" at 53.196,9.015 h1
  text "JLCJLCJLCJLC" at 47.246,2.254 h1

## Text inside footprints (layer, text, board x,y; h text height)
?: Top Overlay "+" at 48.699,63.999 h1.52